# Altium PCB main_board.PcbDoc (part 2 of 2)
Units mil, origin at the board's own origin, x right, y up, seen from the top; angles counter-clockwise.
Board outline 8661.42 x 3543.31 mil, 2 copper layers (Top Layer, Bottom Layer); 70 components, 89 nets, 376 pads, 119 vias.
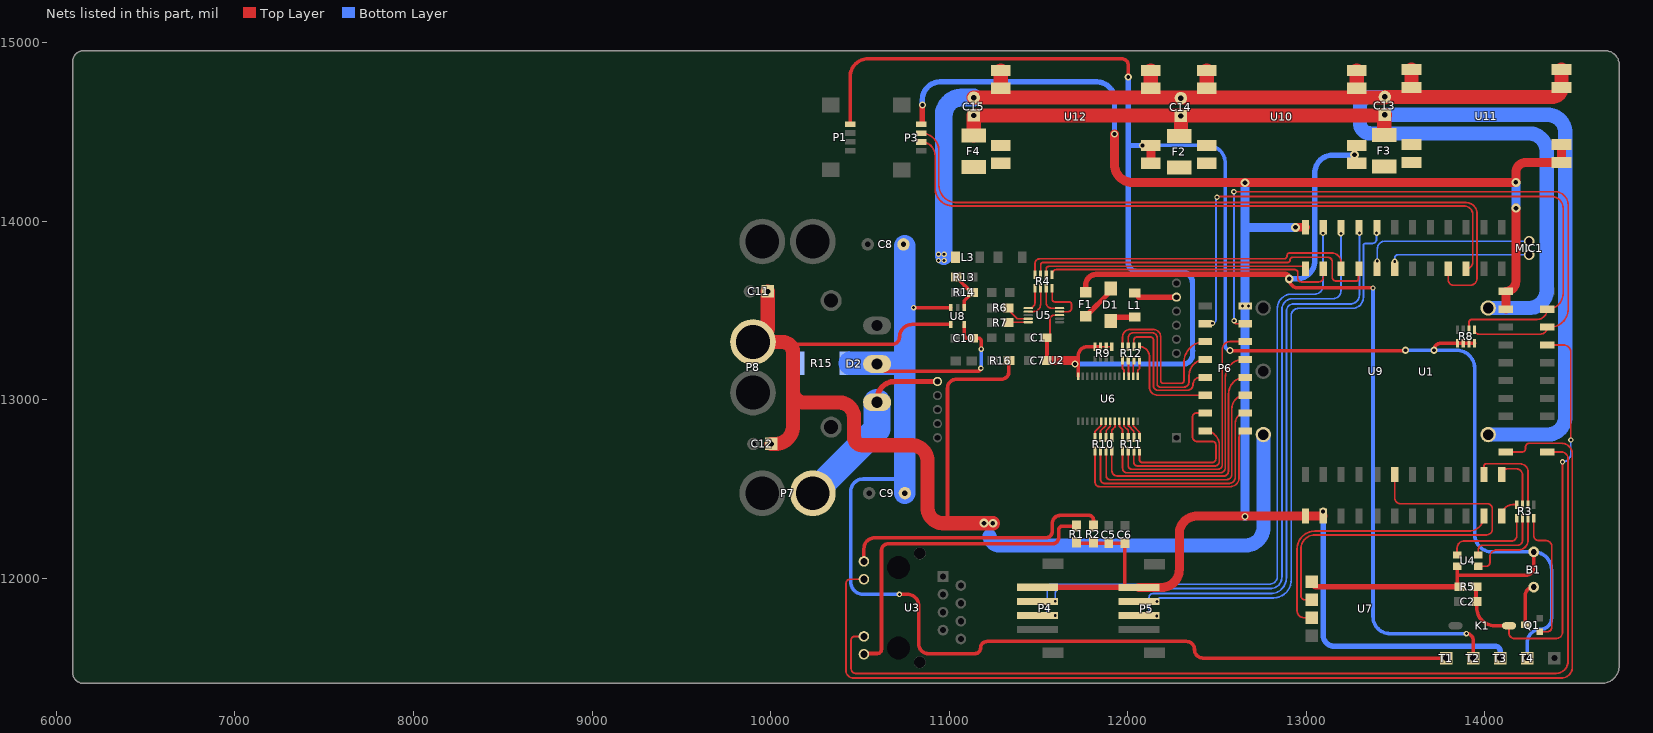
[diagram p2: the nets of this part, all layers, seen from the top]

## Via types
v1: diameter 30, hole 16, Top Layer to Bottom Layer, 85 vias
v2: diameter 40, hole 22, Top Layer to Bottom Layer, 26 vias
v3: diameter 50, hole 26, Top Layer to Bottom Layer, 8 vias

## Nets (pads, with @x,y where several pads share a name; then routed paths per layer and width w, separated by ;. In a path a pad name is that pad's centre, name@x,y a point inside that pad or via, vN(x,y) a via of type N, cw(c..) or ccw(c..) an arc to the next point about the centre after c; other vN are vias at no path point) (continued)
I2C2_SCL: P6.13 R8.1 U1.64 | length 3910.6
  Top Layer w10: v1(12595,14165) 14393,14165 cw(c14393,14091) 14467,14091 14467,13507.05 cw(c14367,13507.05) 14367,13407.05 U1.64@14349.96,13407.05 cw(c14309.91,13407.05) 14309.91,13367 13967.5,13367 cw(c13967.5,13392) R8.1@13942.5,13392 ; v1(12596,13442) ccw(c12612.75,13442) 12612.75,13425.25 P6.13@12658.09,13425.25
  Bottom Layer w10: v1(12596,13442) v1@12596,14164
I2C2_SDA: P6.14 R8.3 U1.66 | length 3844.6
  Top Layer w10: v1(12500,14134) cw(c12504,14134) 12504,14138 14372.87,14138 cw(c14372.87,14071.87) 14439,14071.87 14439,13596.09 cw(c14349.96,13596.09) U1.66@14349.96,13507.05 cw(c14292.91,13507.05) 14292.91,13450 13929.32,13450 ccw(c13929.32,13431.68) 13911,13431.68 R8.3@13911,13392
  Bottom Layer w10: v1@12468,13424 ccw(c12468,13451) 12495,13451 12495,14129 cw(c12500,14129) v1(12500,14134)
  other v1: 12475,13428
IN_24.0V: C8.1 C9.1 C10.2 D2.2 R15.2 T1.1 U8.3 U8.5 | length 7437.8
  Top Layer w20: D2.2@10596.54,13200.46 ccw(c10636.99,13200.46) 10636.99,13160 11162,13160 ccw(c11162,13176) v1(11178,13176) ; v1(10721,11910) 10765.73,11910 cw(c10765.73,11845.73) 10830,11845.73 10830,11630.32 ccw(c10882.32,11630.32) 10882.32,11578 11145,11578 ccw(c11145,11609) 11176,11609 cw(c11213,11609) 11213,11646 12329,11646 cw(c12329,11601) 12374,11601 ccw(c12422,11601) 12422,11553 T1.1@13784,11553 ; v1(10801,13516) U8.3@11010.2,13516 ; U8.5@11085,13421.51 11085,13362 ccw(c11102.42,13362) 11102.42,13344.58 11162.42,13344.58 cw(c11162.42,13327) 11180,13327 v1(11180,13283)
  Bottom Layer w20: v1(10721,11910) 10517.93,11910 cw(c10517.93,11978.93) 10449,11978.93 10449,12487 cw(c10518,12487) 10518,12556 10749.97,12556 cw(c10749.97,12554) 10751.97,12554 ; v1(11178,13176) ccw(c11178,13178) 11180,13178 v1(11180,13283)
  Bottom Layer w120: C9.1@10751.97,12476.38 10751.97,12554 C8.1@10751.97,13862.2
  Bottom Layer w130: R15.2@10445,13203.72 10747.69,13203.72
KEY(A7): C2.2 K1.1 R5.1 U1.62 | length 2498
  Top Layer w10: K1.1@14135.71,11734.2 14135.71,11692.25 ccw(c14164.96,11692.25) 14164.96,11663 14401,11663 ccw(c14401,11697) 14435,11697 v1(14435,12652) ; U1.62@14349.96,13307.05 14440.45,13307.05 cw(c14440.45,13265.5) 14482,13265.5 v1(14482,12774)
  Top Layer w20: R5.1@13950.66,11963.5 13950.66,11873.94 ccw(c13955.02,11873.94) C2.2@13955.02,11869.58 13955.02,11834.2 ccw(c14055.02,11834.2) 14055.02,11734.2 K1.1@14135.71,11734.2
  Bottom Layer w10: v1(14435,12652) ccw(c14435,12699) 14482,12699 v1(14482,12774)
LEDB(C3): R3.2 U1.48 | length 120.4
  Top Layer w10: U1.48@14095.32,12349.13 cw(c14158.77,12349.13) 14158.77,12412.59 R3.2@14179.5,12412.59
LEDG(C2): R3.4 U1.47 | length 319.1
  Top Layer w10: U1.47@14095.32,12581.42 cw(c14126.9,12581.42) 14126.9,12613 14176,12613 cw(c14176,12578) 14211,12578 R3.4@14211,12412.59
LEDR(C1): R3.6 U1.45 | length 511.1
  Top Layer w10: U1.45@13995.32,12581.42 13995.32,12629.32 cw(c14007,12629.32) 14007,12641 14198.1,12641 cw(c14198.1,12596.6) 14242.5,12596.6 R3.6@14242.5,12412.59
LINK_LED: U1.49 U3.10 | length 6361.6
  Top Layer w10: U3.10@10522.83,11994.45 10445,11994.45 ccw(c10445,11971.45) 10422,11971.45 10422,11483.12 ccw(c10464.12,11483.12) 10464.12,11441 14429.15,11441 ccw(c14429.15,11501.85) 14490,11501.85 14490,12696 ccw(c14430,12696) 14430,12756 14249.49,12756 ccw(c14249.49,12734.51) 14228,12734.51 14228,12725.46 cw(c14209.59,12725.46) 14209.59,12707.05 U1.49@14117.68,12707.05
MICN: MIC1.2 U1.12 | length 781.9
  Bottom Layer w10: v1(13496,13775) 13496,13794.63 cw(c13513,13794.63) 13513,13811.63 MIC1.2@14248.55,13811.63
MICP: MIC1.1 U1.10 | length 942.4
  Bottom Layer w10: v1(13398,13777) 13398,13844.21 cw(c13441.21,13844.21) 13441.21,13887.42 MIC1.1@14248.55,13887.42
NetB1_2: B1.2 Q1.3 | length 238.8
  Top Layer w20: Q1.3@14227.16,11738.48 14227.16,11903.73 cw(c14274,11903.73) B1.2@14274,11950.57
NetD1_1: D1.1 F1.2 | length 213
  Top Layer w30: F1.2@11764.75,13467.12 11905,13607.37 D1.1@11905,13622
NetD1_2: D1.2 L1.1 | length 143
  Top Layer w30: D1.2@11905,13440.9 11926.51,13462.41 L1.1@12039.11,13462.41
NetF2_2: F2.2 U10.2
NetF3_2: F3.2 U11.2
NetF4_2: F4.2 U12.2
NetQ1_1: Q1.1 R3.7 | length 768.5
  Top Layer w10: R3.7@14273.99,12337 14273.99,12240.01 ccw(c14303,12240.01) 14303,12211 14342.73,12211 cw(c14342.73,12178.73) 14375,12178.73 14375,11725.21 cw(c14350.27,11725.21) 14350.27,11700.48 Q1.1@14307.16,11700.48
NetR1_2: R1.2 U3.12 | length 1854.5
  Top Layer w20: U3.12@10522.83,11578.61 10598.32,11578.61 ccw(c10598.32,11601.29) 10621,11601.29 10621,12156.03 cw(c10657.97,12156.03) 10657.97,12193 11579.51,12193 ccw(c11579.51,12226.49) 11613,12226.49 11613,12269.19 cw(c11636.15,12269.19) 11636.15,12292.34 R1.2@11713.5,12292.34
NetR2_2: R2.2 U3.9 | length 1532.1
  Top Layer w20: U3.9@10522.83,12094.29 10522.83,12166.28 cw(c10583.55,12166.28) 10583.55,12227 11543,12227 ccw(c11543,12261) 11577,12261 11577,12306.24 cw(c11622.76,12306.24) 11622.76,12352 11783.75,12352 cw(c11783.75,12327.25) 11808.5,12327.25 R2.2@11808.5,12292.34
NetR3_1: R3.1 U4.1 | length 511.8
  Top Layer w10: U4.1@13844.86,12130.18 13844.86,12168.7 cw(c13885.16,12168.7) 13885.16,12209 14150.77,12209 ccw(c14150.77,12237.73) 14179.5,12237.73 R3.1@14179.5,12337
NetR3_3: R3.3 U4.3 | length 432.2
  Top Layer w10: U4.3@13962.97,12130.18 13962.97,12159.55 cw(c13988.42,12159.55) 13988.42,12185 14183.75,12185 ccw(c14183.75,12212.25) 14211,12212.25 R3.3@14211,12337
NetR3_5: R3.5 U4.4 | length 500.2
  Top Layer w10: U4.4@13962.97,12067.19 14008.19,12067.19 ccw(c14008.19,12088) 14029,12088 14029,12121 cw(c14066,12121) 14066,12158 14185.8,12158 ccw(c14185.8,12214.69) 14242.5,12214.69 R3.5@14242.5,12337
NetR4_1: R4.1 U5.1 | length 139.6
  Top Layer w10: U5.1@11442.99,13512.7 11448.7,13512.7 ccw(c11448.7,13545) 11481,13545 11481,13628.01 R4.1@11481.11,13628.01
NetR4_3: R4.3 U5.2 | length 186.5
  Top Layer w10: U5.2@11442.99,13493.02 11469.02,13493.02 ccw(c11469.02,13537) 11513,13537 11513,13588.01 11512.61,13588.01 R4.3@11512.61,13628.01
NetR4_5: R4.5 U5.10 | length 177
  Top Layer w10: R4.5@11544.1,13628.01 11544,13628.01 11544,13542 ccw(c11573.3,13542) 11573.3,13512.7 U5.10@11618.19,13512.7
NetR4_7: R4.7 U5.9 | length 291.7
  Top Layer w10: R4.7@11575.6,13628.01 cw(c11575.6,13626.61) 11577,13626.61 11577,13562 ccw(c11591,13562) 11591,13548 11673,13548 cw(c11673,13536) 11685,13536 11685,13511 cw(c11667.02,13511) 11667.02,13493.02 U5.9@11618.19,13493.02
NetR6_1: R6.1 U5.4 | length 142.6
  Top Layer w10: R6.1@11330.84,13513.89 11330.84,13504.56 11381.75,13453.65 U5.4@11442.99,13453.65
NetR7_1: R7.1 U5.5 | length 113
  Top Layer w10: R7.1@11330.84,13431.89 11332.91,13433.96 U5.5@11442.99,13433.96
NetR10_1: R10.1 U6.9 | length 98.4
  Top Layer w10: R10.1@11910.94,12788.44 11910.94,12829.94 11928.22,12847.22 U6.9@11928.22,12879.72
NetR10_3: R10.3 U6.8 | length 100.9
  Top Layer w10: R10.3@11879.45,12788.44 11879.45,12827.45 11902.63,12850.63 U6.8@11902.63,12879.72
NetR10_5: R10.5 U6.7 | length 103.3
  Top Layer w10: R10.5@11847.95,12788.44 11847.95,12825.95 11877.03,12855.03 U6.7@11877.03,12879.72
NetR10_7: R10.7 U6.6 | length 105.8
  Top Layer w10: R10.7@11816.46,12788.44 11816.46,12821.46 11851.44,12856.44 U6.6@11851.44,12879.72
NetR11_1: R11.1 U6.13 | length 105.9
  Top Layer w10: U6.13@12030.58,12879.72 12030.58,12853.42 12065.94,12818.06 R11.1@12065.94,12788.44
NetR11_3: R11.3 U6.12 | length 103.5
  Top Layer w10: U6.12@12004.99,12879.72 12004.99,12853.01 12034.45,12823.55 R11.3@12034.45,12788.44
NetR11_5: R11.5 U6.11 | length 101
  Top Layer w10: U6.11@11979.4,12879.72 11979.4,12851.6 12002.95,12828.05 R11.5@12002.95,12788.44
NetR11_7: R11.7 U6.10 | length 98.6
  Top Layer w10: U6.10@11953.81,12879.72 11953.81,12850.19 11971.46,12832.54 R11.7@11971.46,12788.44
NetR12_1: R12.1 U6.18 | length 93
  Top Layer w10: R12.1@11971.46,13221.44 11971.46,13173.54 11979.4,13165.6 U6.18@11979.4,13131.68
NetR12_3: R12.3 U6.17 | length 90.6
  Top Layer w10: R12.3@12002.95,13221.44 12004.99,13219.41 U6.17@12004.99,13131.68
NetR12_5: R12.5 U6.16 | length 91.4
  Top Layer w10: U6.16@12030.58,13131.68 12030.58,13217.57 R12.5@12034.45,13221.44
NetR12_7: R12.7 U6.15 | length 93.8
  Top Layer w10: U6.15@12056.17,13131.68 12056.17,13164.17 12065.94,13173.94 R12.7@12065.94,13221.44
NetR13_2: R13.2 R14.1 U8.1 | length 230
  Top Layer w20: R13.2@11039.66,13686.5 11125.66,13600.5 R14.1@11130.66,13600.5 11085,13554.84 U8.1@11085,13516
PGND: C13.2 C14.2 C15.2 L3.1 U9.4 U10.1 U10.4 U11.1 U11.4 U12.1 U12.4 | length 7671.2
  Top Layer w80: C15.2@11138,14692 11287,14692 ; U12.1@11289.27,14844.17 U12.1@11289.27,14743.74 11289.27,14694.27 cw(c11287,14694.27) 11287,14692 ; U12.4@12129.5,14743.74 U12.4@12129.5,14843.74 ; U10.1@12442.27,14743.74 U10.1@12442.27,14844.17 ; U10.4@13282.5,14843.74 U10.4@13282.5,14743.74 13282.5,14692 ; C13.2@13440,14692 13282.5,14692 ; C13.2@13440,14696 13553.45,14696 ; U11.1@13589.27,14849.17 U11.1@13589.27,14748.74 cw(c13532.53,14748.74) 13555.52,14696.87 cw(c13532.53,14748.74) 13553.45,14696 ; U11.4@14429.5,14848.74 U11.4@14429.5,14748.74 cw(c14376.76,14748.74) 14376.76,14696 13553.45,14696 ; 11287,14692 13282.5,14692
  Bottom Layer w80: C13.2@13440,14696 13351.78,14696 ccw(c13351.78,14645.22) 13301,14645.22 13301,14549.54 ccw(c13359.54,14549.54) 13359.54,14491 14247,14491 cw(c14247,14391) 14347,14391 14347,13613.66 cw(c14247,13613.66) 14247,13513.66 U9.4@14018.84,13513.66
  Bottom Layer w100: v1@10970,13804 10970,14592 cw(c11070,14592) 11070,14692 C15.2@11138,14692
  other v1: 10940,13780 10972,13780 10940,13815 10972,13815
PLC_12V: L1.2 U2.11 | length 243.7
  Top Layer w30: L1.2@12039.11,13597.41 12062.04,13574.47 U2.11@12273.32,13574.47
POWER_24V: D2.1 P7.1 U2.13 | length 1070
  Top Layer w30: D2.1@10596.54,12985.89 10596.54,13002.03 cw(c10696.54,13002.03) 10696.54,13102.03 U2.13@10934.73,13102.03
  Bottom Layer w150: P7.1@10236.64,12476.38 10596.54,12836.28 D2.1@10596.54,12985.89
PWM0: P6.1 R10.8 | length 1306.3
  Top Layer w10: R10.8@11816.46,12712.85 11816.46,12539.4 ccw(c11842.85,12539.4) 11842.85,12513 12574,12513 ccw(c12574,12563) 12624,12563 12624,12791.17 cw(c12658.09,12791.17) P6.1@12658.09,12825.25
PWM1: P6.3 R10.6 | length 1336.6
  Top Layer w10: R10.6@11847.95,12712.85 11847.95,12554.62 ccw(c11871.57,12554.62) 11871.57,12531 12566.03,12531 ccw(c12566.03,12567.97) 12603,12567.97 12603,12870.17 cw(c12658.09,12870.17) P6.3@12658.09,12925.25
PWM2: P6.5 R10.4 | length 1358
  Top Layer w10: R10.4@11879.45,12712.85 11879.45,12574.38 ccw(c11901.82,12574.38) 11901.82,12552 12552.9,12552 ccw(c12552.9,12582.1) 12583,12582.1 12583,12950.17 cw(c12658.09,12950.17) P6.5@12658.09,13025.25
PWM3: P6.7 R10.2 | length 1374.6
  Top Layer w10: R10.2@11910.94,12712.85 11910.94,12604.51 ccw(c11943.45,12604.51) 11943.45,12572 12535.28,12572 ccw(c12535.28,12601.72) 12565,12601.72 12565,13032.17 cw(c12658.09,13032.17) P6.7@12658.09,13125.25
PWM4: P6.9 R11.8 | length 1376.7
  Top Layer w10: R11.8@11971.46,12712.85 11971.46,12615.98 ccw(c11996.44,12615.98) 11996.44,12591 12518.17,12591 ccw(c12518.17,12619.83) 12547,12619.83 12547,13125.25 cw(c12647,13125.25) 12647,13225.25 P6.9@12658.09,13225.25
PWM5: P6.11 R11.6 | length 1434.1
  Top Layer w10: R11.6@12002.95,12712.85 12002.95,12631.35 ccw(c12023.3,12631.35) 12023.3,12611 12506.2,12611 ccw(c12506.2,12634.8) 12530,12634.8 12530,13282.8 cw(c12572.45,13282.8) 12572.45,13325.25 P6.11@12658.09,13325.25
PWM6: P6.2 R11.4 | length 784.4
  Top Layer w10: R11.4@12034.45,12712.85 12034.45,12648.65 ccw(c12054.09,12648.65) 12054.09,12629 12487.2,12629 ccw(c12487.2,12654.8) 12513,12654.8 12513,12745.93 ccw(c12433.68,12745.93) P6.2@12433.68,12825.25
PWM7: P6.4 R11.2 | length 927.2
  Top Layer w10: R11.2@12065.94,12712.85 12065.94,12665.02 ccw(c12082.96,12665.02) 12082.96,12648 12473.07,12648 ccw(c12473.07,12668.93) 12494,12668.93 12494,12747.52 ccw(c12475.52,12747.52) 12475.52,12766 12389.49,12766 cw(c12389.49,12792.49) 12363,12792.49 12363,12904.08 cw(c12384.17,12904.08) 12384.17,12925.25 P6.4@12433.68,12925.25
PWM8: P6.6 R12.8 | length 596.1
  Top Layer w10: R12.8@12065.94,13297.03 cw(c12065.94,13240.98) 12122,13240.98 12122,13070.27 ccw(c12167.02,13070.27) 12167.02,13025.25 P6.6@12433.68,13025.25
PWM9: P6.8 R12.6 | length 767.7
  Top Layer w10: R12.6@12034.45,13297.03 12034.45,13334.45 cw(c12051,13334.45) 12051,13351 12128,13351 cw(c12128,13335) 12144,13335 12144,13078 ccw(c12169,13078) 12169,13053 12334,13053 ccw(c12334,13085) 12366,13085 cw(c12406.25,13085) 12406.25,13125.25 P6.8@12433.68,13125.25
PWM10: P6.10 R12.4 | length 883.9
  Top Layer w10: R12.4@12002.95,13297.03 12002.95,13346.09 cw(c12031.86,13346.09) 12031.86,13375 12135.6,13375 cw(c12135.6,13345.6) 12165,13345.6 12165,13089.1 ccw(c12184.1,13089.1) 12184.1,13070 12313,13070 ccw(c12313,13101) 12344,13101 12344,13135.57 cw(c12433.68,13135.57) P6.10@12433.68,13225.25
PWM11: P6.12 R12.2 | length 995.2
  Top Layer w10: R12.2@11971.46,13297.03 11971.46,13351.7 cw(c12013.75,13351.7) 12013.75,13394 12142,13394 cw(c12142,13351) 12185,13351 12185,13106.29 ccw(c12199.29,13106.29) 12199.29,13092 12302,13092 ccw(c12302,13105) 12315,13105 12315,13206.57 cw(c12433.68,13206.57) P6.12@12433.68,13325.25
SPD_LED: U1.50 U3.11 | length 5585.7
  Top Layer w10: U3.11@10522.83,11674.45 10471.67,11674.45 ccw(c10471.67,11653.78) 10451,11653.78 10451,11493.95 ccw(c10477.95,11493.95) 10477.95,11467 14399.5,11467 ccw(c14399.5,11533.5) 14466,11533.5 14466,12670.49 ccw(c14429.44,12670.49) 14429.44,12707.05 U1.50@14349.96,12707.05
SPI1_CLK: R4.2 U1.6 | length 1876
  Top Layer w10: R4.2@11481.11,13700.6 11481.11,13763.11 cw(c11507,13763.11) 11507,13789 12875.14,13789 ccw(c12875.14,13806.37) 12890.12,13797.58 ccw(c12875.14,13806.37) 12892.51,13806.37 cw(c12908.14,13806.37) 12908.14,13822 13141.75,13822 cw(c13141.75,13768.25) 13195.5,13768.25 U1.6@13195.5,13733.46
SPI1_CS: R4.4 U1.8 | length 2037.3
  Top Layer w10: R4.4@11512.61,13700.6 11512.61,13754.92 cw(c11526.69,13754.92) 11526.69,13769 12897,13769 ccw(c12897,13781) 12909,13781 cw(c12926,13781) 12926,13798 13120,13798 cw(c13120,13772) 13146,13772 13146,13685 ccw(c13166,13685) 13166,13665 13281,13665 ccw(c13281,13677) 13293,13677 13293,13730.96 cw(c13295.5,13730.96) U1.8@13295.5,13733.46
SPI1_MISO: R4.8 U1.4 | length 1647.8
  Top Layer w10: R4.8@11575.6,13700.6 cw(c11604,13700.6) 11576.59,13708.02 cw(c11604,13700.6) 11604,13729 12935,13729 cw(c12935,13711) 12953,13711 12953,13680 ccw(c12973,13680) 12973,13660 13070,13660 ccw(c13070,13685.5) 13095.5,13685.5 13095.5,13722.5 cw(c13033,13722.5) U1.4@13095.06,13715.06
SPI1_MOSI: R4.6 U1.2 | length 1499.5
  Top Layer w10: R4.6@11544.1,13700.6 11544.1,13732.88 cw(c11558.22,13732.88) 11558.22,13747 12981.97,13747 cw(c12981.97,13733.46) U1.2@12995.5,13733.46
T24.0V: C11.1 C12.1 P8.1 R15.1 R16.1 U8.4 U9.1 | length 7212.2
  Top Layer w20: 10102.53,13310.87 10682.87,13310.87 ccw(c10682.87,13350) 10722,13350 cw(c10793.51,13350) 10793.51,13421.51 U8.4@11010.2,13421.51 ; 10979,12308 ccw(c10979,12320) 10991,12320 10991,13064 cw(c11042,13064) 11042,13115 11292.59,13115 ccw(c11292.59,13157.07) 11334.66,13157.07 R16.1@11334.66,13219.5
  Top Layer w78.74: P8.1@9901.57,13323.25 10066.05,13323.25 cw(c10066.05,13263.3) 10102.53,13310.87 cw(c10066.05,13263.3) 10126,13263.3 10126,13046 ; C12.1@10003.94,12751.97 10026,12751.97 ccw(c10026,12851.97) 10126,12851.97 10126,13046 ; v3(11245,12308) 10966.12,12308 cw(c10966.12,12395.12) 10879,12395.12 10879,12657 ccw(c10791,12657) 10791,12745 10513.81,12745 cw(c10513.81,12790.81) 10468,12790.81 10468,12898 ccw(c10381,12898) 10381,12985 10187,12985 cw(c10187,13046) 10126,13046
  Top Layer w80: P8.1@9901.57,13323.25 ccw(c9901.57,13405.93) 9984.25,13405.93 C11.1@9984.25,13606.3
  Bottom Layer w78.74: 11227,12237 ccw(c11280,12237) 11280,12184 12659.98,12184 ccw(c12659.98,12284) 12759.98,12284 U9.1@12759.98,12805
  other v3: 11195,12309
UART0_RXD: P3.2 U1.18 | length 4076.4
  Top Layer w10: P3.2@10844.5,14492.75 cw(c10844.5,14395.24) 10942,14395.24 10942,14204 ccw(c11042,14204) 11042,14104 13894.37,14104 cw(c13894.37,14041.37) 13957,14041.37 13957,13681 cw(c13917,13681) 13917,13641 13825.83,13641 cw(c13825.83,13671.33) 13795.5,13671.33 U1.18@13795.5,13733.46
UART0_TXD: P3.3 U1.20 | length 3722.6
  Top Layer w10: P3.3@10844.5,14443.54 cw(c10844.5,14366.03) 10922,14366.03 10922,14185 ccw(c11022,14185) 11022,14085 13883.56,14085 cw(c13883.56,14035.56) 13933,14035.56 13933,13770.96 cw(c13895.5,13770.96) U1.20@13895.5,13733.46
UART1_RXD: U1.46 U7.4 | length 1602.5
  Top Layer w10: U7.4@13030.91,11779.19 12986.69,11779.19 cw(c12986.69,11816.88) 12949,11816.88 12949,12164 cw(c13049,12164) 13049,12264 13910.18,12264 ccw(c13910.18,12349.13) U1.46@13995.32,12349.13
UART1_TXD: U1.35 U7.3 | length 2297.9
  Top Layer w10: U7.3@13030.91,11879.19 12993.24,11879.19 cw(c12993.24,11902.43) 12970,11902.43 12970,12163.14 cw(c13049.86,12163.14) 13049.86,12243 14009.34,12243 ccw(c14009.34,12275.66) 14042,12275.66 14042,12391 ccw(c14016,12391) 14016,12417 13529,12417 cw(c13529,12450.68) 13495.32,12450.68 U1.35@13495.32,12581.42
USB_DM1: P4.2 U1.5 | length 3583.4
  Bottom Layer w10: v1(11594,11871) 11594,11913 cw(c11623,11913) 11623,11942 12798.54,11942 ccw(c12798.54,12007.46) 12864,12007.46 12864,13506.32 cw(c12923.68,13506.32) 12923.68,13566 13151.13,13566 ccw(c13151.13,13608.87) 13194,13608.87 v1(13194,13930) ; v1@13193,13930 v1@13193,13939
USB_DM2: P5.2 U1.9 | length 3182.4
  Bottom Layer w10: v1(12164,11869) cw(c12185,11869) 12185,11890 12816,11890 ccw(c12816,11990) 12916,11990 12916,13471.13 cw(c12956.87,13471.13) 12956.87,13512 13258.7,13512 ccw(c13258.7,13573.3) 13320,13573.3 13320,13863.1 cw(c13331.9,13863.1) 13331.9,13875 13369,13875 ccw(c13369,13900) 13394,13900 v1(13394,13933)
USB_DP1: P4.3 U1.3 | length 3639.6
  Bottom Layer w10: v1(11594,11792) 11565.69,11792 cw(c11565.69,11808.69) 11549,11808.69 11549,11943.17 cw(c11572.83,11943.17) 11572.83,11967 12795.03,11967 ccw(c12795.03,12009.97) 12838,12009.97 12838,13511.2 cw(c12917.8,13511.2) 12917.8,13591 13046.66,13591 ccw(c13046.66,13638.34) 13094,13638.34 v1(13094,13932)
USB_DP2: P5.3 U1.7 | length 3277.6
  Bottom Layer w10: v1(12163,11789) 12142.94,11789 cw(c12142.94,11811.94) 12120,11811.94 12120,11894 cw(c12140,11894) 12140,11914 12800.23,11914 ccw(c12800.23,12002.77) 12889,12002.77 12889,13496.61 cw(c12928.39,13496.61) 12928.39,13536 13246.77,13536 ccw(c13246.77,13587.23) 13298,13587.23 v1(13298,13933) ; v1@13297,13933 v1@13297,13941
VDD_3.3V: B1.1 C1.1 C7.2 P1.1 R5.2 R8.2 R8.4 R8.6 R8.8 R9.2 R9.4 R9.6 R9.8 T4.1 U4.2 U5.8 U6.28 U7.2 U12.3 | length 12313.7
  Top Layer w10: C1.1@11547.98,13347.42 ccw(c11547.98,13364.44) 11565,13364.44 11565,13451 cw(c11587.33,13451) 11587.33,13473.33 U5.8@11618.19,13473.33 ; R9.4@11848,13297.03 R9.6@11879.5,13297.03 R9.8@11910.99,13297.03
  Top Layer w20: P1.1@10445.5,14542.96 10445.5,14809 cw(c10545.5,14809) 10545.5,14909 11967.67,14909 cw(c11967.67,14873.67) 12003,14873.67 v2(12003,14807) ; C7.2@11546.02,13219.58 ccw(c11546.02,13221.55) 11547.98,13221.55 C1.1@11547.98,13347.42 ; U6.28@11723.49,13131.68 11723.49,13246.84 cw(c11773.68,13246.84) 11773.68,13297.03 R9.4@11848,13297.03 ; v2(12574,13275) 13554,13275 v2(13556,13277) ; v2(13715,13277) cw(c13754.41,13277) 13754.41,13316.41 R8.8@13848.01,13316.41 R8.6@13879.5,13316.41 R8.4@13911,13316.41 R8.2@13942.5,13316.41 ; U4.2@13844.86,12067.19 13844.86,12017.62 ; R5.2@13860.66,11963.5 cw(c13860.66,11979.3) 13844.86,11979.3 13844.86,12017.62 ; B1.1@14274,12147.43 14274,12059.88 cw(c14231.75,12059.88) 14231.75,12017.62 13844.86,12017.62
  Top Layer w30: U7.2@13030.91,11979.19 ccw(c13057.59,11979.19) 13057.59,11952.5 R5.2@13860.66,11952.5
  Top Layer w50: C7.2@11546.02,13219.58 v2@11706,13219.58 ; U12.3@12129.5,14323.74 U12.3@12129.5,14423.74
  Bottom Layer w20: 12003,14420 cw(c12007,14420) 12007,14424 12022,14424 ; v2(12084,14424) 12447,14424 cw(c12447,14324) 12547,14324 12547,13302 ccw(c12574,13302) v2(12574,13275) ; 12367,13277 12369,13275 ; v2(13556,13277) v2(13715,13277) 13843,13277 cw(c13843,13177) 13943,13177 13943,12247.43 ccw(c14043,12247.43) 14043,12147.43 B1.1@14274,12147.43 cw(c14274,12047.43) 14374,12047.43 14374,11776 cw(c14312,11776) 14312,11714 ccw(c14312,11640.5) 14238.5,11640.5 T4.1@14238.5,11553
  Bottom Layer w30: v2(11705,13200) 12310,13200 ccw(c12310,13253.14) 12363.14,13253.14 12363.14,13653.23 ccw(c12298.37,13653.23) 12298.37,13718 12050.6,13718 cw(c12050.6,13765.6) 12003,13765.6 12003,14420 v2(12003,14807) ; 12022,14424 v2(12084,14424)
VDD_5.0V: C5.1 C6.1 P3.1 P4.1 P5.1 P6.15 R1.1 R2.1 T3.1 U1.1 U1.26 U1.28 U1.65 U1.67 U11.3 | length 11510.5
  Top Layer w20: R1.1@11713.5,12202.34 11713.5,12195.02 C5.1@11893.42,12195.02 C6.1@11984.42,12195.02 11984.42,11949.53 P5.1@12015.67,11949.53
  Top Layer w30: P3.1@10844.5,14541.96 ccw(c10844.5,14547.46) 10850,14547.46 v2(10850,14651) ; P4.1@11526.67,11949.53 P5.1@11984.42,11949.53
  Top Layer w50: v2(11926,14488) 11926,14317 ccw(c12026,14317) 12026,14217 12940,14217 ; P5.1@12062.67,11948.53 12189,11948.53 ccw(c12189,12048.53) 12289,12048.53 12289,12249.13 cw(c12389,12249.13) 12389,12349.13 U1.26@12995.32,12349.13 U1.28@13095.32,12349.13 ; 12944,14217 v3(14174,14217) 14174,14272.77 cw(c14229.97,14272.77) 14229.97,14328.74 U11.3@14429.5,14328.74 U11.3@14429.5,14428.74 ; v3@12951.25,13965.75 U1.1@12995.5,13965.75 ; U1.65@14117.68,13507.05 U1.67@14117.68,13607.05 ccw(c14117.68,13663.37) 14174,13663.37 14175,13664.37 v3(14175,14073)
  Bottom Layer w30: v2(10850,14651) 10850,14680 cw(c10950,14680) 10950,14780 11826,14780 cw(c11826,14680) 11926,14680 v2(11926,14488) ; v2(13095,12375) 13095,11680.49 ccw(c13156.49,11680.49) 13156.49,11619 14058.2,11619 cw(c14058.2,11590.2) 14087,11590.2 T3.1@14087,11553
  Bottom Layer w50: v2(12657,12346) 12657,13968 ; v3@12657,14211 12657,13968 ; v3(12940,13965) 12660,13965 cw(c12660,13968) 12657,13968 ; v3(14175,14073) v3@14175,14217
  other v1: 12644,13524 12677,13525
  other v3: 12657,14215
VDD_12.0V: F1.1 T2.1 U10.3 | length 5268.3
  Top Layer w20: v3(12905,13677) ccw(c12956,13677) 12956,13626 v1(13374,13626) ; v1(13897,11690) cw(c13897,11651.5) 13935.5,11651.5 T2.1@13935.5,11553
  Top Layer w30: F1.1@11764.75,13602.12 11764.75,13642.35 cw(c11824.39,13642.35) 11824.39,13702 12880,13702 cw(c12880,13677) v3(12905,13677)
  Bottom Layer w20: v1(13374,13626) 13374,11785 ccw(c13469,11785) 13469,11690 v1(13897,11690)
  Bottom Layer w30: v3(12905,13677) 12948,13677 ccw(c12948,13777) 13048,13777 13048,14270 cw(c13148,14270) 13148,14370 v3@13262,14370
  other v3: 13270,14372
VDD_24.0V: C13.1 C14.1 C15.1 F2.1 F3.1 F4.1 U9.5 | length 5788.9
  Top Layer w80: F4.1@11137.39,14480.94 11138,14481.55 C15.1@11138,14592 13436,14592 ccw(c13436,14596) C13.1@13437.39,14592.25 ; F2.1@12289.39,14476.94 12298,14485.55 C14.1@12298,14589 ; F3.1@13437.39,14482.94 C13.1@13437.39,14592.25 ; C13.1@13440,14596 cw(c13436,14596) C13.1@13437.39,14592.25
  Bottom Layer w80: C13.1@13440,14596 14351,14596 cw(c14351,14496) 14451,14496 14451,12905 cw(c14351,12905) 14351,12805 U9.5@14018.84,12805
pads on no net: D2.0 P1.0 P3.0 P4.0 P5.0 R9.7 U1.11 U1.13 U1.14 U1.16 U1.19 U1.21 U1.22 U1.25 U1.32 U1.34 U1.36 U1.37 U1.38 U1.39 U1.40 U1.41 U1.42 U1.44 U1.55 U1.56 U1.57 U1.58 U1.61 U1.63 U1.68 U2.0 U2.2 U2.3 U2.4 U2.5 U2.6 U2.14 U2.15 U3.4 U3.5 U3.7 U3.MH3 U5.6 U5.7 U6.19 U6.20 U6.21 U6.22 U7.1 U7.6 U7.7 U7.8 U7.9 U7.10 U7.11 U7.12 U9.2

## Polygon pours and split planes (outlines as drawn)
GND on Top Layer "Top Layer-No Net" (solid, remove dead copper, pour order 14): 9631,14017 9631,14947 cw(c9731,14947) 9731,15047 10243,15047 11116,15047 cw(c11116,14947) 11216,14947 11216,14292 11216,11355 cw(c11116,11355) 11116,11255 10627,11255 9731,11255 cw(c9731,11355) 9631,11355 9631,11716
DGND on Top Layer "Top Layer-No Net" (solid, remove dead copper, pour order 10): 11526,15135 14824,15135 cw(c14824,15035) 14924,15035 14924,14830 14924,11388 cw(c14824,11388) 14824,11288 14447,11288 11382,11288 cw(c11382,11388) 11282,11388 11282,11687 11282,15030 cw(c11382,15030) 11382,15130 11532,15130
GND on Bottom Layer "Top Layer-No Net" (solid, remove dead copper, pour order 16): 9631,14825 9631,14983 cw(c9731,14983) 9731,15083 9867,15083 14758,15083 cw(c14758,14983) 14858,14983 14858,14715 14858,11370 cw(c14758,11370) 14758,11270 14315,11270 9732,11270 cw(c9732,11370) 9632,11370 9632,11584

## Keep-outs
Keep-Out Layer:
  circle w10: c14634.92,12277.17 r59.06
  circle w10: c14634.92,14088.19 r59.06
  circle w10: c6209.72,14088.19 r59.06
  circle w10: c6209.72,12277.17 r59.06
  circle w10: c11417.06,13977.12 r47.24
  circle w10: c12129.65,13977.12 r47.24
  circle w10: c12171.65,12304.09 r47.24
  circle w10: c11459.06,12304.09 r47.24
  lines w10: 8056.18,13005.51 cw(c8056.18,12954.33) 8107.36,12954.33 8107.36,11678.34 cw(c8056.58,11678.34) 8056.58,11627.56 7696.56,11627.56 cw(c7696.56,11689.2) 7634.92,11689.2 7634.92,12965.72 cw(c7674.71,12965.72) 7674.71,13005.51 8060.12,13005.51 ; 8107.36,14694.49 ccw(c8056.18,14694.49) 8056.18,14745.67 7677.88,14745.67 ccw(c7677.88,14702.71) 7634.92,14702.71 7634.92,13454.01 ccw(c7681.84,13454.01) 7681.84,13407.09 8056.58,13407.09 ccw(c8056.58,13457.87) 8107.36,13457.87 8107.36,14698.43 ; 8738.58,11468.19 cw(c8803.47,11468.19) 8803.47,11533.07 9144.96,11533.07 cw(c9144.96,11468.19) 9209.84,11468.19 ; 8767.75,13852 ccw(c8768.4,13898.35) 8814.75,13897.69 cw(c8852.25,13892.19) 8857.75,13929.69 9115.75,13929.69 cw(c9119.25,13895.19) 9153.75,13898.69 ccw(c9199.59,13897.85) 9198.75,13852 ; 8771.75,13694.39 cw(c8770.9,13648.54) 8816.75,13647.69 ccw(c8851.25,13651.19) 8854.75,13616.69 9112.75,13616.69 ccw(c9118.25,13654.19) 9155.75,13648.69 cw(c9202.09,13648.04) 9202.75,13694.39 ; 8775.16,14896.81 ccw(c8840.04,14896.81) 8840.04,14831.93 9181.53,14831.93 ccw(c9181.53,14896.81) 9246.42,14896.81 ; 8786.75,12671 ccw(c8787.4,12717.35) 8833.75,12716.69 cw(c8871.25,12711.19) 8876.75,12748.69 9134.75,12748.69 cw(c9138.25,12714.19) 9172.75,12717.69 ccw(c9218.59,12716.85) 9217.75,12671 ; 8789.75,12513.39 cw(c8788.9,12467.54) 8834.75,12466.69 ccw(c8869.25,12470.19) 8872.75,12435.69 9130.75,12435.69 ccw(c9136.25,12473.19) 9173.75,12467.69 cw(c9220.09,12467.04) 9220.75,12513.39 ; 8821.75,13694.39 9144.75,13694.39 ; 8825.75,13852 9148.75,13852 ; 8839.75,12513.39 9162.75,12513.39 ; 8844.75,12671 9167.75,12671 ; 9801.94,14848.65 cw(c9834.94,14848.65) 9834.94,14881.65 10186.95,14881.65 cw(c10186.95,14845.23) 10223.36,14845.23 ; 9801.94,14849.61 9801.94,14105.86 ccw(c9836.34,14105.86) 9836.34,14071.46 10187,14071.46 ; 10186.36,14071.46 ccw(c10186.36,14108.46) 10223.36,14108.46 10223.36,14849.61 ; 10189.36,11479.2 ccw(c10189.36,11516.2) 10226.36,11516.2 10226.36,12252.97 ccw(c10189.95,12252.97) 10189.95,12289.39 9837.94,12289.39 ccw(c9837.94,12256.39) 9804.94,12256.39 9804.94,11513.6 ccw(c9839.34,11513.6) 9839.34,11479.2 10190,11479.2 ; 6091.61,11470.08 ccw(c6150.67,11470.08) 6150.67,11411.02 14654.61,11411.02 ccw(c14654.61,11509.45) 14753.03,11509.45 14753.03,14875.59 ccw(c14674.29,14875.59) 14674.29,14954.33 6150.67,14954.33 ccw(c6150.67,14895.28) 6091.61,14895.28 6091.61,11470.08 ; 8570.67,12533.07 ccw(c8590.35,12533.07) 8590.35,12513.39 9405.99,12513.39 ccw(c9405.99,12544.21) 9436.81,12544.21 9436.81,12637.54 ccw(c9403.49,12637.54) 9403.49,12670.87 8598.23,12670.87 ccw(c8598.23,12643.31) 8570.67,12643.31 8570.67,12533.07 ; 8570.67,13714.17 ccw(c8590.35,13714.17) 8590.35,13694.49 9405.99,13694.49 ccw(c9405.99,13725.31) 9436.81,13725.31 9436.81,13818.65 ccw(c9403.49,13818.65) 9403.49,13851.97 8598.23,13851.97 ccw(c8598.23,13824.41) 8570.67,13824.41 8570.67,13714.17

## Other copper
Top Layer:
  region net GND: 13023,13556 12715,13556 12715,13415 13023,13415
  region net GND: 9748,13535 9637,13535 9637,13091 9748,13091
  region net GND: 9924,14027 9636,14027 9636,13515 9924,13515
  region net GND: 9938,13154 9637,13154 9637,12315 9938,12315
  region net PGND: 11059,13832 10924,13832 10924,13762 11059,13762
  rectangle net NetF4_2: 11068,14267 11346,14397
  rectangle net NetF2_2: 12221,14262 12498,14397
  rectangle net NetF3_2: 13371,14275 13646,14412
Bottom Layer:
  rectangle net DGND: 12397,13506 12469,13544
  region net T24.0V: 11280,12344 11173,12344 11173,12144 11280,12144
  region net T24.0V: 10266,13324 10041,13324 10041,13137 10266,13137
  region net T24.0V: 10269,13433 9912,13433 9912,13213 10269,13213
  rectangle net VDD_12.0V: 13229,14293 13339,14415
  rectangle net VDD_5.0V: 12621,13504 12696,13543

## Silkscreen, mask and mechanical layers (free items; w line width, h text height)
Top Overlay:
  lines w10: 6327.83,11411.02 6327.83,14954.33 ; 14516.81,11411.02 14516.81,14954.33 ; 14547.72,13211.69 14744.57,13211.69
Bottom Solder:
  lines w10: 8674.75,11410.69 ccw(c8677.92,11471.36) 8738.58,11468.19 ; 8715.58,14954.31 8715.25,14953.98 cw(c8716.62,14895.44) 8775.16,14896.81 ; 9209.84,11468.19 ccw(c9268.38,11469.56) 9269.75,11411.02 9269.42,11410.69 ; 9246.42,14896.81 cw(c9307.08,14893.64) 9310.25,14954.31

## Text inside footprints (layer, text, board x,y; h text height)
C11: Top Overlay "+" at 9958.25,13570.3 h78.74 r180
C12: Top Overlay "+" at 9977.94,12715.97 h78.74 r180
C13: Top Overlay "+" at 13404,14622 h78.74 r90
C14: Top Overlay "+" at 12262,14615 h78.74 r90
C15: Top Overlay "+" at 11102,14618 h78.74 r90
MIC1: Top Overlay "+" at 14293.83,13866.75 h60
P7: Top Overlay "-" at 10016.91,12318.38 h80; Top Overlay "+" at 10169.91,12310.38 h80
P8: Top Overlay "-" at 10059.57,13103.52 h80 r90; Top Overlay "+" at 10067.57,13256.52 h80 r90
P9: Top Overlay "-" at 10016.91,13727.83 h80; Top Overlay "+" at 10169.91,13719.83 h80
U1: Top Overlay "IOG11" at 13281.06,12754.65 h50 r270; Top Overlay "5V" at 12977.27,12285.81 h50 r270; Top Overlay "CS1" at 13280.9,13677.87 h50 r270; Top Overlay "CLK1" at 13179.49,13677.87 h50 r270; Top Overlay "MISO1" at 13077.32,13681.81 h50 r270; Top Overlay "MOSI1" at 12979.32,13681.81 h50 r270; Top Overlay "5V" at 12974.96,14080.97 h50 r270; Top Overlay "DP1" at 13083.43,14103.75 h50 r270; Top Overlay "DM1" at 13184.83,14111.18 h50 r270; Top Overlay "DP2" at 13284.83,14109.61 h50 r270; Top Overlay "DM2" at 13384.83,14117.05 h50 r270; Top Overlay "IRRX" at 13484.83,14130.77 h50 r270; Top Overlay "SPDF" at 13584.83,14143.62 h50 r270; Top Overlay "LRCK" at 13684.83,14144.31 h50 r270; Top Overlay "BCK" at 13784.83,14117.01 h50 r270; Top Overlay "SDOT" at 13884.83,14149.67 h50 r270; Top Overlay "SDIN" at 13984.83,14129.57 h50 r270; Top Overlay "GND" at 14081.63,14123.06 h50 r270; Top Overlay "NC" at 14066.14,13123.85 h50 r180; Top Overlay "NC" at 14470.42,13123.46 h50 r180; Top Overlay "5V" at 14066.14,13623.11 h50 r180; Top Overlay "3V3" at 14486.69,13621.94 h50 r180; Top Overlay "5V" at 14066.14,13522.23 h50 r180; Top Overlay "SDA2" at 14523.41,13522.94 h50 r180; Top Overlay "DM3" at 14066.14,13423.46 h50 r180; Top Overlay "SCL2" at 14518.47,13422.94 h50 r180; Top Overlay "DP3" at 14066.14,13322.44 h50 r180; Top Overlay "IOA7" at 14506.74,13322.94 h50 r180; Top Overlay "GND" at 14066.14,13223.32 h50 r180; Top Overlay "GND" at 14505.63,13221.74 h50 r180; Top Overlay "NC" at 14066.14,13022.87 h50 r180; Top Overlay "NC" at 14470.42,13022.67 h50 r180; Top Overlay "RXP" at 14066.14,12922.53 h50 r180; Top Overlay "RXN" at 14498.24,12920.94 h50 r180; Top Overlay "TXP" at 14066.14,12823.23 h50 r180; Top Overlay "TXN" at 14495.74,12823.94 h50 r180; Top Overlay "LNK" at 14036.97,12746.77 h50 r270; Top Overlay "SPD" at 14498.56,12722.75 h50 r180; Top Overlay "3V3" at 12979.91,12707.8 h50 r270; Top Overlay "SDA0" at 13079.91,12744.76 h50 r270; Top Overlay "5V" at 13077.27,12285.81 h50 r270; Top Overlay "SCL0" at 13179.91,12739.82 h50 r270; Top Overlay "GND" at 13177.27,12285.81 h50 r270; Top Overlay "TX1" at 13277.27,12285.81 h50 r270; Top Overlay "RX1" at 13377.27,12285.81 h50 r270; Top Overlay "GND" at 13379.91,12726.74 h50 r270; Top Overlay "TX2" at 13479.91,12710.76 h50 r270; Top Overlay "IOA2" at 13579.91,12727.53 h50 r270; Top Overlay "IOA3" at 13679.91,12727.85 h50 r270; Top Overlay "3V3" at 13779.91,12707.8 h50 r270; Top Overlay "IOA6" at 13477.27,12285.81 h50 r270; Top Overlay "GND" at 13577.27,12285.81 h50 r270; Top Overlay "IOG8" at 13677.27,12285.81 h50 r270; Top Overlay "IOG9" at 13777.27,12285.81 h50 r270; Top Overlay "GND" at 13877.27,12285.81 h50 r270; Top Overlay "MOSI0" at 13879.91,12765.83 h50 r270; Top Overlay "MISO0" at 13983.82,12768.43 h50 r270; Top Overlay "RX2" at 13977.27,12285.81 h50 r270; Top Overlay "CLK0" at 14159.02,12634.57 h50 r270; Top Overlay "CS0" at 14070.57,12285.81 h50 r270; Top Overlay "RX0" at 13780.9,13677.87 h50 r270; Top Overlay "TX0" at 13880.9,13677.87 h50 r270; Top Overlay "5V" at 13980.9,13677.87 h50 r270; Top Overlay "GND" at 14163.94,13775.32 h50 r270; Top Overlay "LL" at 13680.9,13677.87 h50 r270; Top Overlay "LR" at 13580.9,13677.87 h50 r270; Top Overlay "MN" at 13480.9,13677.87 h50 r270; Top Overlay "MP" at 13380.9,13677.87 h50 r270
U2: Top Overlay "NC" at 11048,12958 h55 r180; Top Overlay "NC" at 11049,12881 h55 r180; Top Overlay "AC/L" at 11085,13120 h55 r180; Top Overlay "AC/N" at 11096,12797 h55 r180; Top Overlay "GND" at 12211,13672 h60 r180; Top Overlay "12V" at 12211.06,13593.56 h60 r180; Top Overlay "RXN" at 12214.99,13518.49 h60 r180; Top Overlay "RXP" at 12214.99,13439.49 h60 r180; Top Overlay "TXN" at 12214.94,13360.49 h60 r180; Top Overlay "TXP" at 12214.94,13281.49 h60 r180; Top Overlay "GND" at 12211,12803 h60 r180
U7: Top Overlay "Y" at 13328.21,11938.46 h35; Top Overlay "X" at 13400.21,11879.46 h35 r180; Top Overlay "Z" at 13281.89,11755.31 h35 r180; Top Overlay "VCC" at 13090.91,11960.19 h35; Top Overlay "VCC" at 13480.91,11960.19 h35; Top Overlay "GND" at 13090.91,11660.19 h35; Top Overlay "GND" at 13480.91,11660.19 h35; Top Overlay "RX" at 13100.91,11860.19 h35; Top Overlay "TX" at 13100.91,11760.19 h35; Top Overlay "SDA" at 13480.91,11760.19 h35; Top Overlay "SCL" at 13480.91,11860.19 h35; Top Overlay "D0" at 13090.91,12060.19 h35; Top Overlay "D1" at 13100.91,11560.19 h35; Top Overlay "D2" at 13480.91,12060.19 h35; Top Overlay "D3" at 13490.91,11560.19 h35
U10: Top Overlay "Vi-" at 12611.68,14768.9 h78.74; Top Overlay "Vi+" at 12611.68,14348.9 h78.74; Top Overlay "Vo-" at 13000.68,14764.9 h78.74; Top Overlay "Vo+" at 12995.76,14345.9 h78.74
U11: Top Overlay "Vi-" at 13758.68,14773.9 h78.74; Top Overlay "Vi+" at 13758.68,14353.9 h78.74; Top Overlay "Vo-" at 14147.68,14769.9 h78.74; Top Overlay "Vo+" at 14142.76,14350.9 h78.74
U12: Top Overlay "Vi-" at 11458.68,14768.9 h78.74; Top Overlay "Vi+" at 11458.68,14348.9 h78.74; Top Overlay "Vo-" at 11847.68,14764.9 h78.74; Top Overlay "Vo+" at 11842.76,14345.9 h78.74